# Altium PCB Iris.PcbDoc (part 12 of 13)
Units mm, origin at the board's own origin, x right, y up, seen from the top; angles counter-clockwise.
Board outline 100 x 72 mm, 6 copper layers (Top Layer, PowerPlane1, MidLayer1, MidLayer2, PowerPlane2, Bottom Layer), stack 1.561 mm thick; 396 components, 379 nets, 1616 pads, 658 vias.
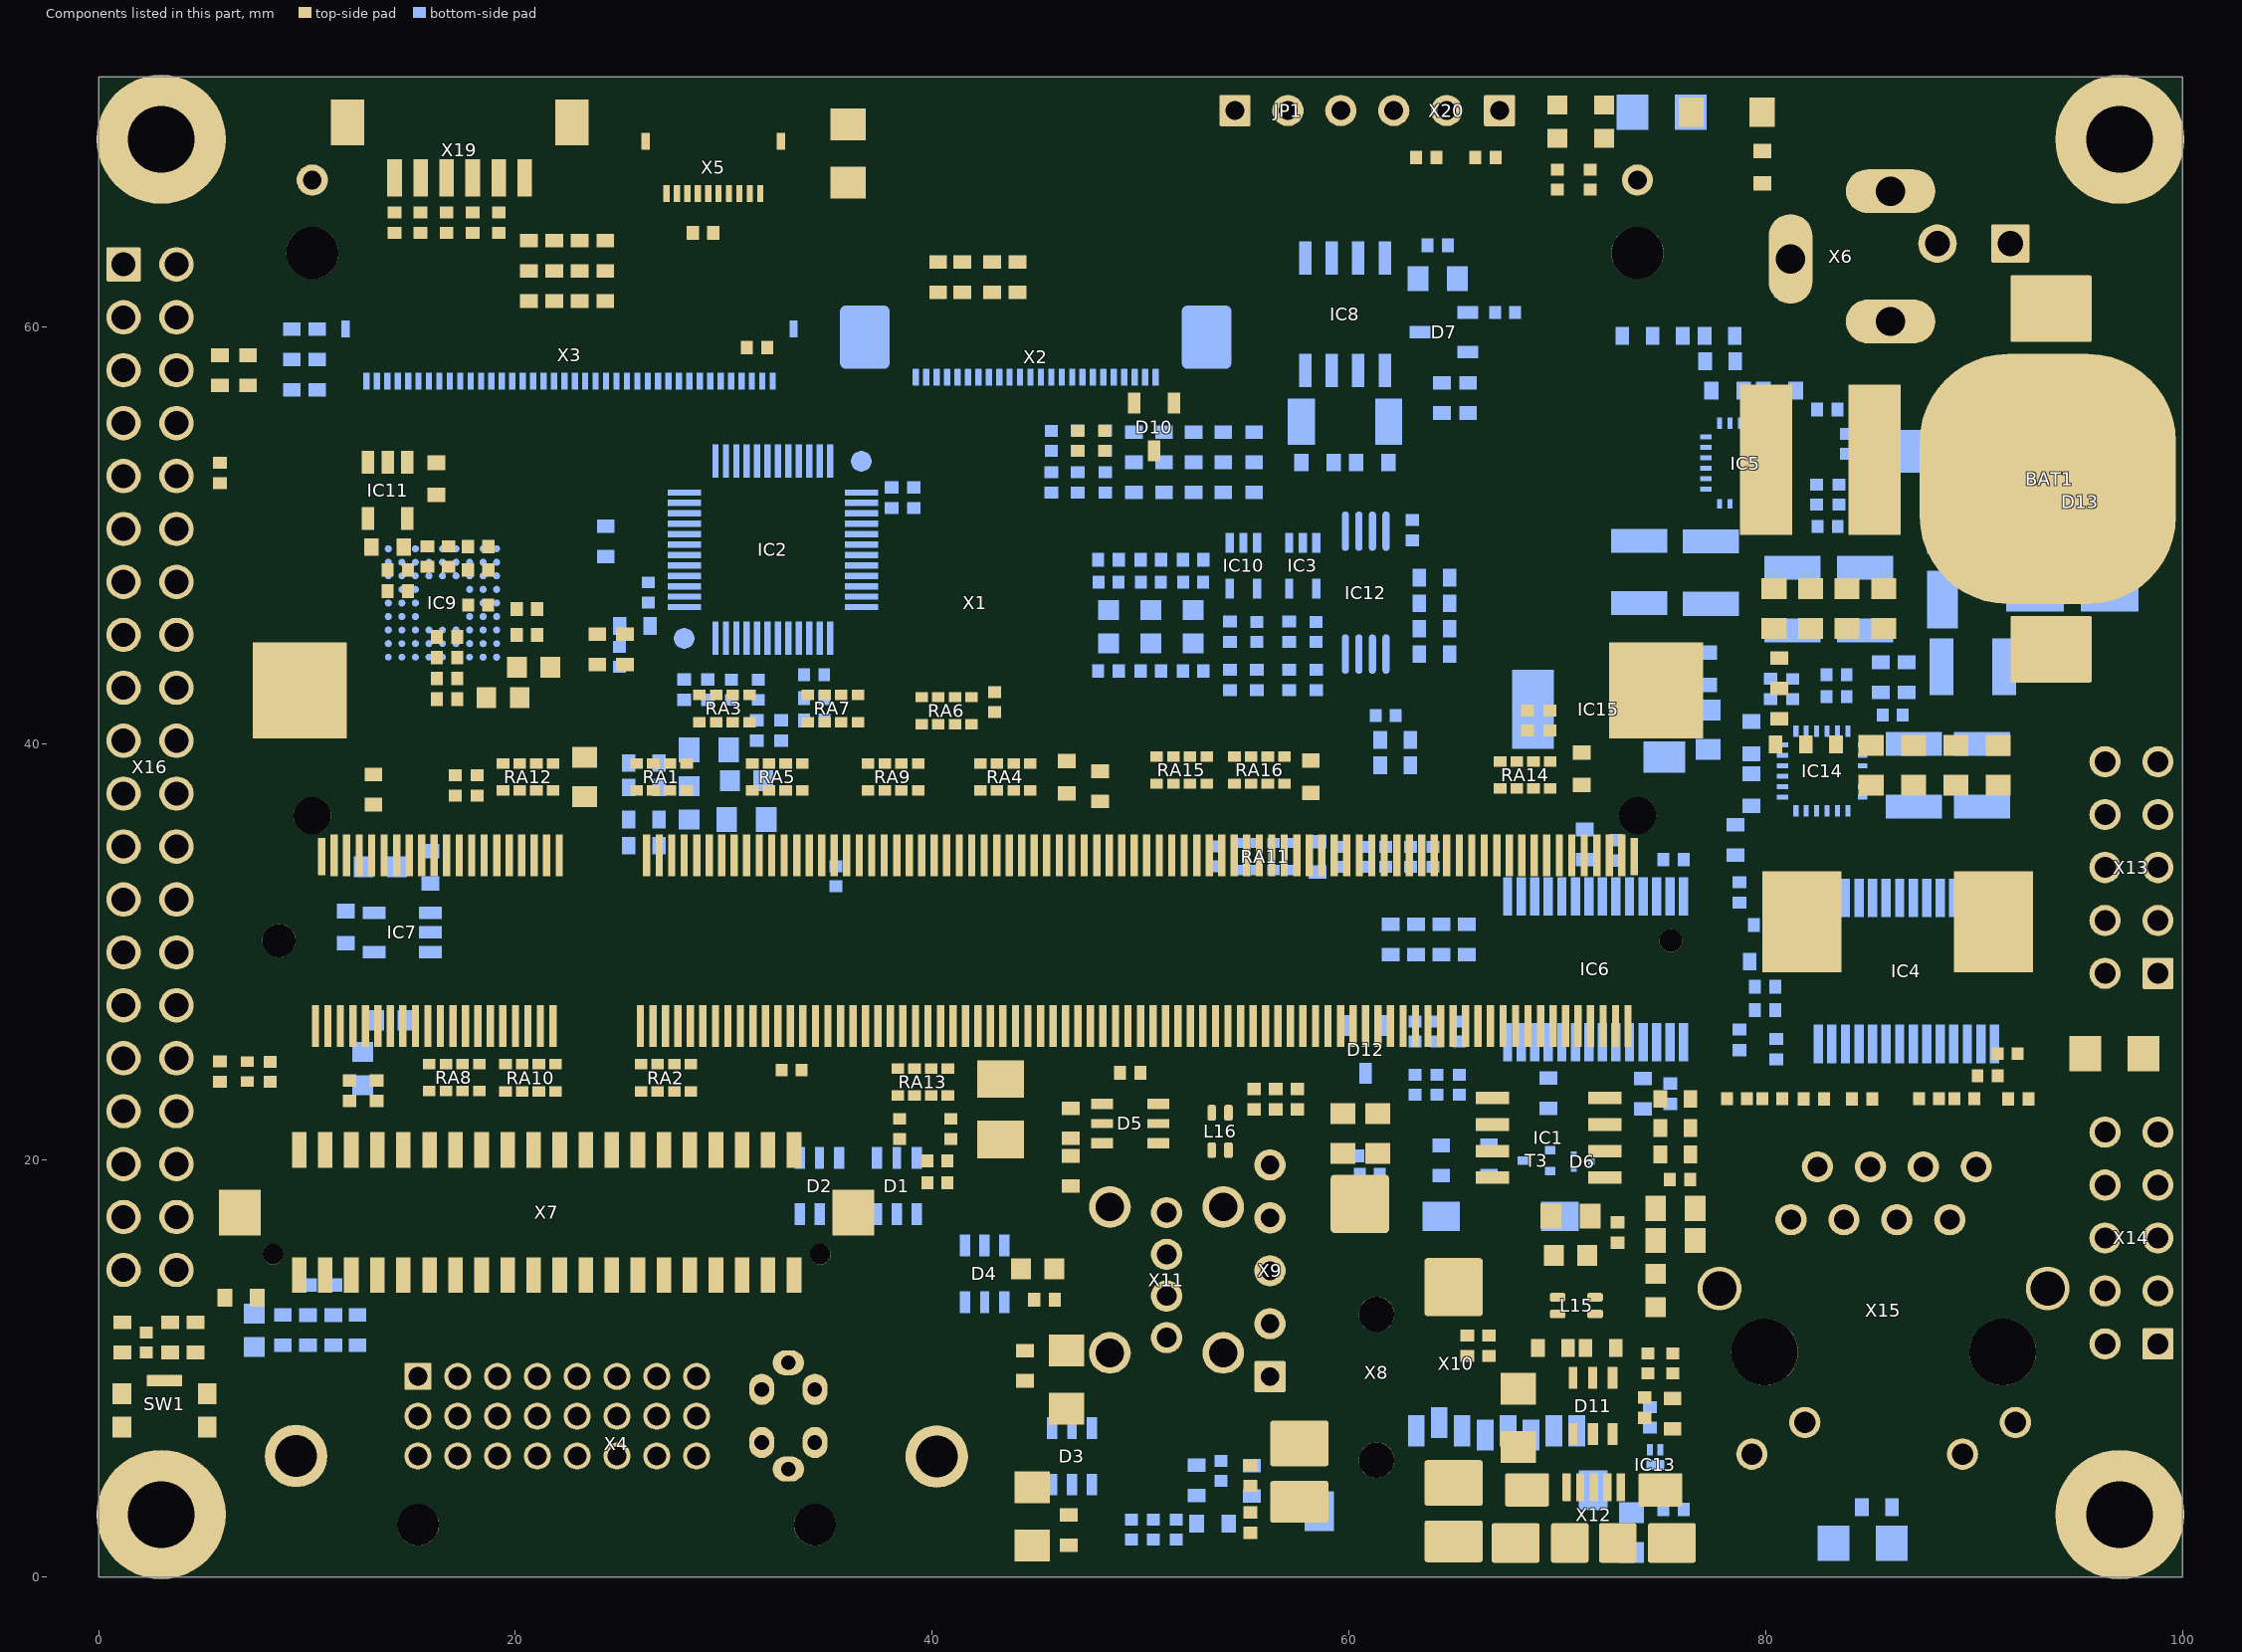
[diagram p16: the components of this part, seen from the top]

## Other copper (continued)
MidLayer1:
  pour cut-out: 33.525,65.913 34.508,65.913 34.508,66.98 33.525,66.98
  pour cut-out: 39.349,55.959 39.217,55.512 39.217,54.398 39.623,53.275 38.176,52.807 38.174,54.25 38.174,55.512 38.428,56.142
  pour cut-out: 35.204,54.407 35.943,55.122 35.943,55.574 35.205,56.312 34.67,56.312 34.055,56.189 33.552,55.966 32.299,55.966 31.806,55.883 31.269,55.433 31.477,54.384 32.839,54.384 33.552,54.836 34.874,54.839
  pour cut-out: 28.245,66.04 28.245,64.948 26.213,64.948 26.213,66.04
  pour cut-out: 14.268,52.139 13.347,52.323 13.285,51.866 13.291,50.768 14.212,50.584 14.205,51.685
  pour cut-out: 22.566,58.814 22.415,58.31 21.634,58.832 21.785,59.336
  pour cut-out: 24.066,58.814 23.915,58.31 23.134,58.832 23.285,59.336
  pour cut-out: 18.066,58.814 17.915,58.31 17.134,58.832 17.285,59.336
  pour cut-out: 19.566,58.814 19.415,58.31 18.634,58.832 18.785,59.336
  pour cut-out: 21.066,58.814 20.915,58.31 20.134,58.832 20.285,59.336
  pour cut-out: 25.566,58.814 25.415,58.31 24.634,58.832 24.785,59.336
  pour cut-out: 27.066,58.814 26.915,58.31 26.134,58.832 26.285,59.336
  pour cut-out: 28.566,58.814 28.415,58.31 27.634,58.832 27.785,59.336
  pour cut-out: 30.066,58.814 29.915,58.31 29.134,58.832 29.285,59.336
  pour cut-out: 88.443,35.052 88.443,34.011 87.882,33.443 87.482,33.609 86.766,34.02 86.766,34.239 86.766,35.063 87.482,35.474 87.882,35.64
  pour cut-out: 82.182,56.413 83.005,56.413 83.005,57.48 82.182,57.48
  pour cut-out: 79.931,35.987 79.974,36.204 80.096,36.387 80.28,36.509 80.496,36.552 83.163,36.552 83.379,36.509 83.562,36.387 83.685,36.204 83.728,35.987 83.728,34.514 83.685,34.298 83.562,34.115 83.379,33.992 83.163,33.949 80.496,33.949 80.28,33.992 80.096,34.115 79.974,34.298 79.931,34.514
  pour cut-out: 59.918,47.716 59.969,47.473 59.969,47.269 60.122,47.117 60.401,47.168 60.699,47.194 61.047,47.716 61.047,48.714 60.96,49.276 60.483,49.276 59.918,48.714
  pour cut-out: 77.874,2.275 77.976,2.299 78.081,2.307 78.185,2.299 78.287,2.275 78.383,2.235 78.473,2.18 78.552,2.112 78.62,2.032 78.675,1.943 78.715,1.846 78.74,1.744 78.748,1.64 78.74,1.536 78.715,1.434 78.675,1.337 78.62,1.248 78.552,1.168 78.473,1.1 77.688,1.1 77.609,1.168 77.541,1.248 77.486,1.337 77.446,1.434 77.421,1.536 77.413,1.64 77.421,1.744 77.446,1.846 77.486,1.943 77.541,2.032 77.609,2.112 77.688,2.18 77.778,2.235
  pour cut-out: 49.555,3.377 51.714,3.377 51.714,4.4 49.555,4.4
  pour cut-out: 38.151,45.339 36.83,45.339 36.678,45.491 36.678,45.974 37.465,46.761 37.465,46.351 37.008,45.894 37.008,45.745 37.186,45.568 38.151,45.568
  pour cut-out: 38.887,50.292 39.294,49.886 39.294,45.517 39.192,45.517 39.192,49.835 38.811,50.216 38.811,51.867 38.887,51.943
  pour cut-out: 23.946,42.133 23.946,41.051 24.295,40.553 25.001,39.936 25.961,40.591 25.961,41.588 25.616,42.127 24.921,42.538 24.333,42.52
  pour cut-out: 21.674,45.025 22.619,44.222 22.784,44.323 23.583,44.622 23.583,47.624 21.336,48.64 21.336,45.542
  pour cut-out: 31.394,52.273 31.394,50.952 32.944,49.403 32.944,47.981 33.122,47.803 33.426,47.803 33.426,47.625 33.452,47.6 31.242,47.6 30.937,47.904 30.937,51.918 30.582,52.273 30.582,52.426 30.372,52.705 30.963,52.705
  pour cut-out: 19.818,49.915 22.067,49.915 23.279,50.28 23.52,50.343 24.359,50.343 24.765,50.521 25.184,51.109 25.592,51.761 25.714,51.944 26.423,52.653 26.606,52.775 26.822,52.818 27.737,52.964 27.178,52.222 27.178,50.546 25.984,49.352 19.837,49.352
  pour cut-out: 34.389,17.17 34.49,17.194 34.595,17.203 34.699,17.194 34.801,17.17 34.898,17.13 34.987,17.075 35.067,17.007 35.135,16.928 35.189,16.838 35.229,16.742 35.254,16.64 35.262,16.535 35.254,16.431 35.229,16.329 35.189,16.232 35.135,16.143 35.067,16.064 34.987,15.996 34.898,15.941 34.801,15.901 34.699,15.876 34.595,15.868 34.49,15.876 34.392,15.9 34.292,15.941 34.203,15.996 34.123,16.064 34.055,16.143 34,16.232 33.96,16.329 33.936,16.431 33.928,16.535 33.936,16.64 33.96,16.742 34,16.838 34.055,16.928 34.123,17.007 34.203,17.075 34.292,17.13
  pour cut-out: 38.097,17.162 38.199,17.186 38.303,17.195 38.408,17.186 38.509,17.162 38.606,17.122 38.695,17.067 38.775,16.999 38.843,16.92 38.898,16.83 38.938,16.734 38.962,16.632 38.97,16.527 38.962,16.423 38.938,16.321 38.898,16.224 38.843,16.135 38.775,16.056 38.695,15.988 38.606,15.933 38.509,15.893 38.408,15.868 38.303,15.86 38.199,15.868 38.1,15.892 38,15.933 37.911,15.988 37.831,16.056 37.763,16.135 37.709,16.224 37.669,16.321 37.644,16.423 37.636,16.527 37.644,16.632 37.669,16.734 37.709,16.83 37.763,16.92 37.831,16.999 37.911,17.067 38,17.122
  pour cut-out: 94.531,27.178 94.684,27.026 94.684,25.197 94.531,25.044 93.744,25.044 93.591,25.197 93.591,27.026 93.744,27.178
  pour cut-out: 93.65,20.336 92.761,20.336 92.761,19.228 93.65,19.228
  pour cut-out: 52.603,33.34 51.627,33.34 51.627,32.21 52.603,32.21
  pour cut-out: 53.251,29.648 48.473,29.648 48.473,28.518 53.251,28.518
  pour cut-out: 31.184,24.446 31.694,24.015 32.432,24.753 31.922,25.184
  pour cut-out: 23.775,21.474 24.341,22.04 23.551,22.83 22.985,22.265 22.57,22.179 22.753,21.258
  pour cut-out: 93.066,8.407 90.881,8.407 90.881,6.401 93.066,6.401
  pour cut-out: 15.85,48.031 17.501,48.031 17.932,47.6 17.932,45.873 17.933,45.871 17.018,45.517 15.977,45.517 15.453,46.049 15.312,46.742 15.311,47.502
  pour cut-out: 46.94,17.76 46.97,17.449 47.061,17.15 47.208,16.875 47.406,16.634 47.647,16.436 47.923,16.288 48.222,16.198 48.532,16.167 48.843,16.198 49.142,16.288 49.415,16.435 49.659,16.634 49.857,16.875 50.004,17.15 50.094,17.449 50.125,17.76 50.094,18.071 50.004,18.37 49.857,18.645 49.659,18.886 49.417,19.084 49.142,19.232 48.843,19.322 48.532,19.353 48.222,19.322 47.923,19.232 47.647,19.084 47.406,18.886 47.208,18.645 47.061,18.37 46.97,18.071
  pour cut-out: 52.38,17.76 52.41,17.449 52.501,17.15 52.648,16.875 52.846,16.634 53.087,16.436 53.363,16.288 53.662,16.198 53.972,16.167 54.283,16.198 54.582,16.288 54.855,16.435 55.099,16.634 55.297,16.875 55.444,17.15 55.534,17.449 55.565,17.76 55.534,18.071 55.444,18.37 55.297,18.645 55.099,18.886 54.857,19.084 54.582,19.232 54.283,19.322 53.972,19.353 53.662,19.322 53.363,19.232 53.087,19.084 52.846,18.886 52.648,18.645 52.501,18.37 52.41,18.071
  pour cut-out: 52.38,10.76 52.41,10.449 52.501,10.15 52.648,9.875 52.846,9.634 53.087,9.436 53.363,9.288 53.662,9.198 53.972,9.167 54.283,9.198 54.582,9.288 54.855,9.435 55.099,9.634 55.297,9.875 55.444,10.15 55.534,10.449 55.565,10.76 55.534,11.071 55.444,11.37 55.297,11.645 55.099,11.886 54.857,12.084 54.582,12.232 54.283,12.322 53.972,12.353 53.662,12.322 53.363,12.232 53.087,12.084 52.846,11.886 52.648,11.645 52.501,11.37 52.41,11.071
  pour cut-out: 11.151,28.778 11.151,27.915 12.04,27.915 12.04,28.778
  pour cut-out: 9.426,23.266 10.236,23.266 10.236,24.384 9.426,24.384
  pour cut-out: 6.557,19.101 7.367,19.101 7.805,18.549 8.204,19.513 7.367,20.091 6.557,20.091
  pour cut-out: 16.1,21.03 16.9,21.03 16.9,22.148 16.1,22.148
  pour cut-out: 19.85,21.03 20.65,21.03 20.65,22.148 19.85,22.148
  pour cut-out: 27.35,21.03 28.15,21.03 28.15,22.148 27.35,22.148
  pour cut-out: 31.1,21.03 31.9,21.03 31.9,22.148 31.1,22.148
  pour cut-out: 58.778,38.037 58.778,36.512 59.084,36.207 59.612,35.783 59.795,35.661 60.011,35.618 60.227,35.661 60.411,35.783 60.533,35.966 60.575,36.176 60.452,36.828 60.452,37.514 60.893,37.967 61.059,38.366 61.059,39.458 60.893,39.858 59.704,41.237 58.783,41.42 57.777,40.557 57.96,39.636 58.778,38.696
  pour cut-out: 40.223,7.795 39.831,7.756 39.454,7.642 39.106,7.456 38.802,7.206 38.552,6.902 38.366,6.554 38.252,6.177 38.213,5.785 38.252,5.393 38.366,5.016 38.552,4.668 38.802,4.364 39.106,4.114 39.454,3.928 39.831,3.814 40.223,3.775 40.615,3.814 40.992,3.928 41.339,4.114 41.644,4.364 41.894,4.668 42.08,5.016 42.194,5.393 42.233,5.785 42.194,6.177 42.08,6.554 41.894,6.902 41.644,7.206 41.339,7.456 40.992,7.642 40.615,7.756
  pour cut-out: 9.473,7.82 9.081,7.781 8.704,7.667 8.356,7.481 8.052,7.231 7.802,6.927 7.616,6.579 7.502,6.202 7.463,5.81 7.502,5.418 7.616,5.041 7.802,4.693 8.052,4.389 8.356,4.139 8.704,3.953 9.081,3.839 9.473,3.8 9.865,3.839 10.242,3.953 10.589,4.139 10.894,4.389 11.144,4.693 11.33,5.041 11.444,5.418 11.483,5.81 11.444,6.202 11.33,6.579 11.144,6.927 10.894,7.231 10.589,7.481 10.242,7.667 9.865,7.781
  pour cut-out: 46.94,10.76 46.97,10.449 47.061,10.15 47.208,9.875 47.406,9.634 47.647,9.436 47.923,9.288 48.222,9.198 48.532,9.167 48.843,9.198 49.142,9.288 49.415,9.435 49.659,9.634 49.857,9.875 50.004,10.15 50.094,10.449 50.125,10.76 50.094,11.071 50.004,11.37 49.857,11.645 49.659,11.886 49.417,12.084 49.142,12.232 48.843,12.322 48.532,12.353 48.222,12.322 47.923,12.232 47.647,12.084 47.406,11.886 47.208,11.645 47.061,11.37 46.97,11.071
  pour cut-out: 76.198,13.85 76.229,13.539 76.319,13.24 76.467,12.965 76.665,12.724 76.906,12.526 77.181,12.378 77.48,12.288 77.791,12.257 78.102,12.288 78.401,12.378 78.674,12.525 78.917,12.724 79.115,12.965 79.263,13.24 79.353,13.539 79.384,13.85 79.353,14.161 79.263,14.46 79.115,14.735 78.917,14.976 78.676,15.174 78.401,15.322 78.102,15.412 77.791,15.443 77.48,15.412 77.181,15.322 76.906,15.174 76.665,14.976 76.467,14.735 76.319,14.46 76.229,14.161
  pour cut-out: 91.948,13.85 91.979,13.539 92.069,13.24 92.217,12.965 92.415,12.724 92.656,12.526 92.931,12.378 93.23,12.288 93.541,12.257 93.852,12.288 94.151,12.378 94.424,12.525 94.667,12.724 94.865,12.965 95.013,13.24 95.103,13.539 95.134,13.85 95.103,14.161 95.013,14.46 94.865,14.735 94.667,14.976 94.426,15.174 94.151,15.322 93.852,15.412 93.541,15.443 93.23,15.412 92.931,15.322 92.656,15.174 92.415,14.976 92.217,14.735 92.069,14.46 91.979,14.161
  pour cut-out: 90.111,20.857 89.809,20.817 89.528,20.701 89.286,20.515 89.1,20.273 88.984,19.992 88.944,19.69 88.984,19.388 89.1,19.107 89.286,18.865 89.528,18.679 89.809,18.563 90.111,18.523 90.413,18.563 90.694,18.679 90.936,18.865 91.122,19.107 91.238,19.388 91.277,19.687 91.238,19.992 91.122,20.273 90.939,20.511 90.694,20.701 90.413,20.817
  pour cut-out: 63.226,28.501 60.959,28.501 60.959,27.371 63.226,27.371
  pour cut-out: 68.043,29.474 64.497,29.464 64.135,28.575 64.897,27.559 66.777,27.559 67.64,28.423 68.781,28.736 69.518,29.549 68.474,29.981
  pour cut-out: 56.908,41.484 55.308,41.484 55.092,41.441 54.909,41.319 54.109,40.557 53.987,40.374 53.944,40.157 53.987,39.941 54.109,39.758 54.292,39.636 54.508,39.593 56.108,39.593 56.325,39.636 56.508,39.758 57.308,40.52 57.43,40.703 57.473,40.919 57.43,41.136 57.308,41.319 57.125,41.441
  pour cut-out: 52.807,37.211 52.019,37.211 52.019,36.144 52.807,36.144
  pour cut-out: 52.902,41.319 51.975,40.557 52.774,39.758 53.701,40.52
  pour cut-out: 37.186,40.988 37.186,39.855 38.252,39.855 38.252,40.988
  pour cut-out: 30.429,43.18 31.555,43.18 31.555,44.247 30.429,44.247
  pour cut-out: 13.05,57.941 14.099,58.025 14.499,58.989 13.989,59.652 13.063,59.836 12.435,58.862
  pour cut-out: 40.284,60.325 41.417,60.325 41.417,61.392 40.284,61.392
  pour cut-out: 42.875,60.325 44.008,60.325 44.008,61.392 42.875,61.392
  pour cut-out: 45.796,60.325 46.929,60.325 46.929,61.392 45.796,61.392
  pour cut-out: 48.943,49.098 50.076,49.098 50.076,50.165 48.943,50.165
  pour cut-out: 62.967,32.623 64.099,32.623 64.099,33.689 62.967,33.689
  pour cut-out: 55.753,23.571 56.885,23.571 56.885,24.562 55.753,24.562
  pour cut-out: 63.17,24.384 65.202,24.384 65.958,23.647 68.003,23.647 68.003,24.69 66.39,24.69 65.38,25.451 63.17,25.451
  pour cut-out: 34.798,71.501 34.798,70.815 35.458,70.155 36.551,70.155 37.135,70.739 37.135,71.501
  pour cut-out: 35.252,71.45 35.354,71.474 35.458,71.482 35.563,71.474 35.665,71.45 35.761,71.41 35.851,71.355 35.93,71.287 35.998,71.207 36.053,71.118 36.093,71.021 36.117,70.92 36.126,70.815 36.117,70.711 36.093,70.609 36.053,70.512 35.998,70.423 35.93,70.343 35.851,70.275 35.761,70.221 35.665,70.181 35.563,70.156 35.458,70.148 35.354,70.156 35.256,70.18 35.155,70.221 35.066,70.275 34.987,70.343 34.919,70.423 34.864,70.512 34.824,70.609 34.799,70.711 34.791,70.815 34.799,70.92 34.824,71.021 34.864,71.118 34.919,71.207 34.987,71.287 35.066,71.355 35.155,71.41
  pour cut-out: 36.271,71.45 36.373,71.474 36.477,71.482 36.581,71.474 36.683,71.45 36.78,71.41 36.869,71.355 36.949,71.287 37.017,71.207 37.072,71.118 37.112,71.021 37.136,70.92 37.144,70.815 37.136,70.711 37.112,70.609 37.072,70.512 37.017,70.423 36.949,70.343 36.869,70.275 36.78,70.221 36.683,70.181 36.581,70.156 36.477,70.148 36.373,70.156 36.274,70.18 36.174,70.221 36.085,70.275 36.005,70.343 35.937,70.423 35.882,70.512 35.842,70.609 35.818,70.711 35.81,70.815 35.818,70.92 35.842,71.021 35.882,71.118 35.937,71.207 36.005,71.287 36.085,71.355 36.174,71.41
  pour cut-out: 74.701,53.817 74.485,53.86 74.302,53.982 74.18,54.165 74.137,54.381 74.137,57.048 74.18,57.265 74.302,57.448 74.485,57.57 74.701,57.613 76.175,57.613 76.391,57.57 76.574,57.448 76.696,57.265 76.739,57.048 76.739,54.381 76.696,54.165 76.574,53.982 76.391,53.86 76.175,53.817
  pour cut-out: 83.595,54.277 83.597,53.217 83.554,53.001 83.432,52.818 83.249,52.695 83.033,52.652 82.208,52.652 81.992,52.695 81.808,52.818 81.686,53.001 81.643,53.217 81.643,54.277 81.686,54.493 81.808,54.677 81.992,54.799 82.208,54.842 82.468,55.194 83.597,55.194
  pour cut-out: 78.791,45.872 79.889,45.872 79.889,45.021 78.791,45.021
  pour cut-out: 86.233,45.872 87.249,45.872 87.249,45.021 86.233,45.021
  pour cut-out: 82.952,40.825 81.927,40.825 81.405,41.606 81.647,42.456 82.568,42.64 83.352,41.789
  pour cut-out: 74.137,51.156 74.137,52.959 74.18,53.175 74.302,53.358 74.485,53.481 74.701,53.524 76.175,53.524 76.391,53.481 76.574,53.358 76.696,53.175 76.739,52.959 76.739,51.156 76.696,50.965 76.574,50.782 76.391,50.659 76.175,50.616 74.701,50.616 74.485,50.659 74.302,50.782 74.18,50.965
  pour cut-out: 53.619,3.377 54.381,3.377 54.381,4.4 53.619,4.4
MidLayer2:
  rectangle net 3.3V: 66.815,50.533 68.796,52.515
  region net DCDC1_LX: 76.175,54.048 76.175,57.376 74.701,57.376 74.701,54.048
  rectangle net DCDC2_LX: 80.162,34.514 83.49,35.987
  pour cut-out: 45.441,22.098 45.441,21.184 44.577,21.184 44.577,22.098
  pour cut-out: 41.123,24.968 41.123,24.511 42.037,24.511 42.037,24.968
  pour cut-out: 52.38,10.76 52.41,10.449 52.501,10.15 52.648,9.875 52.846,9.634 53.087,9.436 53.363,9.288 53.662,9.198 53.972,9.167 54.283,9.198 54.582,9.288 54.855,9.435 55.099,9.634 55.297,9.875 55.444,10.15 55.534,10.449 55.565,10.76 55.534,11.071 55.444,11.37 55.297,11.645 55.099,11.886 54.857,12.084 54.582,12.232 54.283,12.322 53.972,12.353 53.662,12.322 53.363,12.232 53.087,12.084 52.846,11.886 52.648,11.645 52.501,11.37 52.41,11.071
  pour cut-out: 52.38,17.76 52.41,17.449 52.501,17.15 52.648,16.875 52.846,16.634 53.087,16.436 53.363,16.288 53.662,16.198 53.972,16.167 54.283,16.198 54.582,16.288 54.855,16.435 55.099,16.634 55.297,16.875 55.444,17.15 55.534,17.449 55.565,17.76 55.534,18.071 55.444,18.37 55.297,18.645 55.099,18.886 54.857,19.084 54.582,19.232 54.283,19.322 53.972,19.353 53.662,19.322 53.363,19.232 53.087,19.084 52.846,18.886 52.648,18.645 52.501,18.37 52.41,18.071
  pour cut-out: 46.94,10.76 46.97,10.449 47.061,10.15 47.208,9.875 47.406,9.634 47.647,9.436 47.923,9.288 48.222,9.198 48.532,9.167 48.843,9.198 49.142,9.288 49.415,9.435 49.659,9.634 49.857,9.875 50.004,10.15 50.094,10.449 50.125,10.76 50.094,11.071 50.004,11.37 49.857,11.645 49.659,11.886 49.417,12.084 49.142,12.232 48.843,12.322 48.532,12.353 48.222,12.322 47.923,12.232 47.647,12.084 47.406,11.886 47.208,11.645 47.061,11.37 46.97,11.071
  pour cut-out: 38.097,17.162 38.199,17.186 38.303,17.195 38.408,17.186 38.509,17.162 38.606,17.122 38.695,17.067 38.775,16.999 38.843,16.92 38.898,16.83 38.938,16.734 38.962,16.632 38.97,16.527 38.962,16.423 38.938,16.321 38.898,16.224 38.843,16.135 38.775,16.056 38.695,15.988 38.606,15.933 38.509,15.893 38.408,15.868 38.303,15.86 38.199,15.868 38.1,15.892 38,15.933 37.911,15.988 37.831,16.056 37.763,16.135 37.709,16.224 37.669,16.321 37.644,16.423 37.636,16.527 37.644,16.632 37.669,16.734 37.709,16.83 37.763,16.92 37.831,16.999 37.911,17.067 38,17.122
  pour cut-out: 34.389,17.17 34.49,17.194 34.595,17.203 34.699,17.194 34.801,17.17 34.898,17.13 34.987,17.075 35.067,17.007 35.135,16.928 35.189,16.838 35.229,16.742 35.254,16.64 35.262,16.535 35.254,16.431 35.229,16.329 35.189,16.232 35.135,16.143 35.067,16.064 34.987,15.996 34.898,15.941 34.801,15.901 34.699,15.876 34.595,15.868 34.49,15.876 34.392,15.9 34.292,15.941 34.203,15.996 34.123,16.064 34.055,16.143 34,16.232 33.96,16.329 33.936,16.431 33.928,16.535 33.936,16.64 33.96,16.742 34,16.838 34.055,16.928 34.123,17.007 34.203,17.075 34.292,17.13
  pour cut-out: 46.94,17.76 46.97,17.449 47.061,17.15 47.208,16.875 47.406,16.634 47.647,16.436 47.923,16.288 48.222,16.198 48.532,16.167 48.843,16.198 49.142,16.288 49.415,16.435 49.659,16.634 49.857,16.875 50.004,17.15 50.094,17.449 50.125,17.76 50.094,18.071 50.004,18.37 49.857,18.645 49.659,18.886 49.417,19.084 49.142,19.232 48.843,19.322 48.532,19.353 48.222,19.322 47.923,19.232 47.647,19.084 47.406,18.886 47.208,18.645 47.061,18.37 46.97,18.071
  pour cut-out: 46.201,24.968 46.201,24.511 47.115,24.511 47.115,24.968
Bottom Layer:
  rectangle net GND: 76.334,41.707 76.657,42.697
  rectangle net 5V: 84.696,34.544 85.484,35.306
  region net GND: 70.282,41.935 68.935,41.935 68.935,41.402 70.282,41.402
  rectangle net GND: 67.513,42.012 68.351,42.545
  rectangle net GND: 68.402,39.395 69.215,43.891
  rectangle net NetC102_2: 26.737,34.478 27.037,36.985
  rectangle net GND: 64.602,63.195 64.897,64.49
  rectangle net 3.3V: 66.815,50.533 68.796,52.515
  rectangle net GND: 51.436,47.902 51.588,49.911
  rectangle net GND: 51.445,48.692 52.121,48.92
  rectangle net GND: 51.46,49.403 52.095,49.911
  rectangle net GND: 79.292,30.683 79.553,31.829
  rectangle net CHASSIS_GND: 75.268,69.793 77.56,70.815
  rectangle net 3.3V_MMC: 74.95,0.533 75.26,3.781
  rectangle net 3.3V_MMC: 72.644,0.508 74.473,0.686
  rectangle net GND: 81.102,1.626 82.067,3.302
  rectangle net GND: 76.08,4.013 76.911,5.385
  rectangle net GND: 77.267,40.437 77.951,43.36
  pour cut-out: 4.766,65.421 6.57,67.224 6.57,72.508 -0.517,72.508 -0.517,65.421
  pour cut-out: 93.421,67.234 95.224,65.43 100.508,65.43 100.508,72.517 93.421,72.517
  pour cut-out: 78.816,40.538 80.34,40.538 80.416,40.462 78.892,40.462
  pour cut-out: 76.385,38.456 76.581,38.456 76.759,38.278 76.759,38.507 76.385,38.507
  pour cut-out: 84.998,37.262 85.125,37.262 85.125,38.405 85.329,38.608 84.998,38.608
  pour cut-out: 86.614,35.765 83.591,35.765 83.591,35.841 86.614,35.841
  pour cut-out: 83.922,55.601 82.956,55.601 82.956,56.337 82.829,56.464 80.569,56.464 80.569,57.531 83.134,57.531 83.922,56.744
  pour cut-out: 77.46,53.807 77.46,50.892 77.368,50.8 77.511,50.8 77.511,53.899 77.368,53.899
  pour cut-out: 93.472,27.076 93.599,27.203 94.64,27.203 94.767,27.076 94.767,25.044 94.64,24.917 93.599,24.917 93.472,25.044
  pour cut-out: 63.86,48.412 63.733,48.412 63.733,49.352 63.86,49.352
  pour cut-out: 47.219,25.197 46.101,25.197 46.101,22.555 47.219,22.555
  pour cut-out: 76.505,34.366 76.505,34.087 77.013,33.579 77.216,33.579 77.216,33.477 76.81,33.477 76.403,33.884 76.403,34.366
  pour cut-out: 11.278,49.809 11.278,49.174 11.582,48.87 11.989,48.87 11.989,49.809
  pour cut-out: 62.205,34.747 62.611,34.747 62.611,34.646 62.205,34.646
  pour cut-out: 53.886,37.059 53.962,37.135 51.867,37.135 51.689,37.313 51.689,37.059
  pour cut-out: 57.937,61.544 59.182,61.544 59.182,61.646 57.937,61.646
  pour cut-out: 62.814,56.841 62.713,56.74 62.713,56.587 62.611,56.587 62.611,56.943 64.211,56.943 64.211,56.841
  pour cut-out: 72.187,35.42 72.187,33.515 72.314,33.515 72.314,35.319 72.212,35.42
  pour cut-out: 38.811,58.191 38.811,56.617 40.564,54.864 40.564,47.752 38.913,46.101 38.913,38.43 37.262,36.779 37.262,34.315 35.865,32.918 26.594,32.918 24.968,34.561 24.968,39.167 23.647,40.488 23.647,43.713 22.428,44.933 15.926,44.933 15.926,36.5 16.866,36.5 17.221,36.144 17.221,29.972 15.748,28.499 15.748,24.384 14.605,23.241 11.303,23.241 11.303,32.918 11.735,33.35 14.938,33.35 14.938,36.071 15.367,36.5 15.9,36.5 15.9,44.933 8.89,44.933 4.496,40.538 4.496,21.971 6.045,20.422 6.045,11.786 16.053,1.778 33.553,1.778 40.691,8.915 40.691,29.235 46.609,35.154 46.609,41.402 45.415,42.596 45.415,58.191
  pour cut-out: 95.733,44.747 96.088,45.103 96.52,45.103 96.876,44.747 96.876,44.315 96.545,43.985 96.063,43.985 95.733,44.315
  pour cut-out: 94.666,63.551 95.021,63.906 95.453,63.906 95.809,63.551 95.809,63.119 95.479,62.789 94.996,62.789 94.666,63.119
  pour cut-out: 62.839,12.315 71.889,12.315 71.889,15.783 62.844,15.783
  pour cut-out: 71.889,5.369 72.778,5.369 72.778,18.015 71.889,18.015
  pour cut-out: 78.613,71.374 74.549,71.374 74.549,69.266 75.235,68.58 78.029,68.58 78.613,69.164
  pour cut-out: 98.832,37.502 96.291,37.502 96.291,37.426 98.832,37.426
  pour cut-out: 64.529,64.414 64.084,64.859 64.008,64.859 64.008,64.414
  pour cut-out: 21.869,25.959 22.733,25.959 22.733,25.095 21.869,25.095
  pour cut-out: 25.019,25.959 25.883,25.959 25.883,25.095 25.019,25.095
  pour cut-out: 49.098,45.872 49.098,45.441 53.188,45.441 53.188,44.196 53.442,43.942 53.442,43.18 58.903,43.18 58.903,42.037 53.365,42.037 53.34,42.062 53.34,43.84 53.061,44.12 53.061,45.314 49.022,45.314 49.022,45.872
  pour cut-out: 43.307,58.191 50.8,58.191 50.876,58.166 50.973,58.083 51.003,57.988 43.307,57.988
  pour cut-out: 22.377,36.601 23.241,36.601 23.241,35.738 22.377,35.738
  pour cut-out: 29.032,48.793 29.032,48.285 28.905,48.285 28.905,48.793
  pour cut-out: 38.365,54.585 38.365,52.654 38.238,52.654 38.238,54.585
  pour cut-out: 55.905,52.197 55.905,54.733 56.023,54.733 56.023,52.197
  pour cut-out: 79.22,24.851 79.093,24.851 79.093,23.393 79.22,23.393
  pour cut-out: 21.793,59.766 21.692,59.665 21.692,58.75 21.742,58.699 21.539,58.699 21.539,59.715 21.692,59.868 22.962,59.868 23.114,59.715 23.114,58.598 22.911,58.268 22.911,57.887 22.809,57.887 22.809,58.274 23.012,58.604 23.012,59.639 22.885,59.766
  pour cut-out: 65.761,23.546 65.761,24.435 65.913,24.587 68.834,24.587 68.986,24.435 68.986,23.47 69.063,23.47 69.063,24.689 65.684,24.689 65.684,23.546
  pour cut-out: 42.875,61.316 46.888,61.316 46.888,61.239 42.875,61.239
  pour cut-out: 66.367,61.141 68.834,61.141 68.834,60.241 66.367,60.241
  pour cut-out: 70.748,35.477 70.748,34.689 70.875,34.689 70.875,35.477
  pour cut-out: 66.269,30.378 66.269,31.267 66.472,31.471 66.827,31.471 66.924,31.374 66.924,31.501 66.853,31.572 66.218,31.572 66.218,30.378
  pour cut-out: 55.753,24.486 56.794,24.486 56.794,23.673 55.753,23.673
  pour cut-out: 51.478,18.387 52.011,18.387 52.011,18.209 51.565,18.209 51.478,18.296
  pour cut-out: 54.839,28.626 47.727,28.626 47.854,28.753 54.839,28.753
  pour cut-out: 52.38,17.76 52.41,17.449 52.501,17.15 52.648,16.875 52.846,16.634 53.087,16.436 53.363,16.288 53.662,16.198 53.972,16.167 54.283,16.198 54.582,16.288 54.855,16.435 55.099,16.634 55.297,16.875 55.444,17.15 55.534,17.449 55.565,17.76 55.534,18.071 55.444,18.37 55.297,18.645 55.099,18.886 54.857,19.084 54.582,19.232 54.283,19.322 53.972,19.353 53.662,19.322 53.363,19.232 53.087,19.084 52.846,18.886 52.648,18.645 52.501,18.37 52.41,18.071
  pour cut-out: 52.38,10.76 52.41,10.449 52.501,10.15 52.648,9.875 52.846,9.634 53.087,9.436 53.363,9.288 53.662,9.198 53.972,9.167 54.283,9.198 54.582,9.288 54.855,9.435 55.099,9.634 55.297,9.875 55.444,10.15 55.534,10.449 55.565,10.76 55.534,11.071 55.444,11.37 55.297,11.645 55.099,11.886 54.857,12.084 54.582,12.232 54.283,12.322 53.972,12.353 53.662,12.322 53.363,12.232 53.087,12.084 52.846,11.886 52.648,11.645 52.501,11.37 52.41,11.071
  pour cut-out: 46.94,10.76 46.97,10.449 47.061,10.15 47.208,9.875 47.406,9.634 47.647,9.436 47.923,9.288 48.222,9.198 48.532,9.167 48.843,9.198 49.142,9.288 49.415,9.435 49.659,9.634 49.857,9.875 50.004,10.15 50.094,10.449 50.125,10.76 50.094,11.071 50.004,11.37 49.857,11.645 49.659,11.886 49.417,12.084 49.142,12.232 48.843,12.322 48.532,12.353 48.222,12.322 47.923,12.232 47.647,12.084 47.406,11.886 47.208,11.645 47.061,11.37 46.97,11.071
  pour cut-out: 46.94,17.76 46.97,17.449 47.061,17.15 47.208,16.875 47.406,16.634 47.647,16.436 47.923,16.288 48.222,16.198 48.532,16.167 48.843,16.198 49.142,16.288 49.415,16.435 49.659,16.634 49.857,16.875 50.004,17.15 50.094,17.449 50.125,17.76 50.094,18.071 50.004,18.37 49.857,18.645 49.659,18.886 49.417,19.084 49.142,19.232 48.843,19.322 48.532,19.353 48.222,19.322 47.923,19.232 47.647,19.084 47.406,18.886 47.208,18.645 47.061,18.37 46.97,18.071
  pour cut-out: 37.465,66.065 52.349,66.065 52.349,71.526 37.465,71.526
  pour cut-out: 80.028,33.658 80.028,34.166 80.079,34.166 80.13,34.116 80.13,33.658
  pour cut-out: 77.648,57.785 77.648,56.413 77.749,56.413 77.749,57.785
  pour cut-out: 76.717,44.835 76.336,44.835 76.336,44.86 76.717,44.86
  pour cut-out: 62.23,36.728 62.23,37.592 62.509,37.871 62.128,37.871 62.128,36.728
  pour cut-out: 63.48,40.732 63.48,41.544 63.709,41.773 63.404,41.773 63.404,40.732
  pour cut-out: 65.849,42.048 65.849,40.855 65.646,40.651 67.259,40.651 67.259,42.048
  pour cut-out: 86.309,27.332 91.821,27.332 91.821,27.459 86.309,27.459
  pour cut-out: 66.531,29.409 68.297,29.409 68.537,29.65 68.537,29.765 68.614,29.765 68.614,29.257 66.531,29.257
  pour cut-out: 3.734,58.827 0.152,58.827 0.152,58.903 3.734,58.903
  pour cut-out: 2.773,56.475 2.773,54.28 2.697,54.28 2.697,56.475
  pour cut-out: 55.245,49.041 53.438,49.041 53.438,48.863 53.565,48.964 55.245,48.964
  pour cut-out: 83.363,31.119 84.633,31.119 84.633,31.017 83.363,31.017
  text "Iris Rev. 2.0" at 51.661,66.844 h2.75
PowerPlane1 (plane layer: these items are gaps in the copper):
  pour cut-out: 76.179,57.616 76.395,57.573 76.578,57.451 76.701,57.268 76.744,57.051 76.744,54.385 76.701,54.168 76.578,53.985 76.395,53.863 76.179,53.82 74.706,53.82 74.49,53.863 74.306,53.985 74.184,54.168 74.141,54.385 74.141,57.051 74.184,57.268 74.306,57.451 74.49,57.573 74.706,57.616
  pour cut-out: 98.832,11.931 98.832,10.457 100,10.457 100,11.931
  pour cut-out: 98.832,29.711 98.832,28.237 100,28.237 100,29.711
  pour cut-out: 98.832,37.331 98.832,35.857 100,35.857 100,37.331
  pour cut-out: 1.191,46.935 1.191,48.586 0.023,48.586 0.023,46.935
  pour cut-out: 1.191,57.095 1.191,58.746 0.023,58.746 0.023,57.095
  pour cut-out: 79.928,35.992 79.971,36.208 80.093,36.391 80.276,36.514 80.493,36.557 83.16,36.557 83.376,36.514 83.559,36.391 83.681,36.208 83.724,35.992 83.724,34.519 83.681,34.302 83.559,34.119 83.376,33.997 83.16,33.954 80.493,33.954 80.276,33.997 80.093,34.119 79.971,34.302 79.928,34.519
  pour cut-out: 59.131,36.373 59.715,35.916 60.096,36.576 59.665,36.906
  pour cut-out: 74.382,71.501 74.382,69.342 74.763,68.961 78.065,68.961 78.446,69.342 78.446,71.5
  pour cut-out: 93.98,68.037 94.082,67.733 94.234,67.428 94.412,67.123 94.59,66.894 94.768,66.691 94.996,66.488 95.199,66.336 95.403,66.209 95.606,66.107 95.885,65.98 96.19,65.878 100.508,65.878 100.508,72.517 93.879,72.517 93.879,68.52
  pour cut-out: 81.763,42.24 81.585,41.605 82.321,41.453 82.575,42.24
  pour cut-out: 83.03,54.607 82.208,54.607 82.208,53.845 83.03,53.845
  pour cut-out: 51.994,36.297 52.784,36.297 52.784,37.059 51.994,37.059
  pour cut-out: 66.614,39.646 66.056,40.204 65.517,39.665 66.075,39.107
  pour cut-out: 77.064,36.601 76.835,36.83 76.835,38.76 77.064,38.989 78.207,38.989 78.435,38.76 78.435,36.83 78.207,36.601
  pour cut-out: 84.518,34.138 84.29,34.366 84.29,35.496 84.531,35.738 85.674,35.738 85.903,35.509 85.903,34.379 85.661,34.138
  pour cut-out: 11.922,22.039 11.122,22.039 11.122,21.277 11.922,21.277
  pour cut-out: 10.281,24.206 9.481,24.206 9.481,23.444 10.281,23.444
  pour cut-out: 7.357,19.964 6.557,19.964 6.557,19.202 7.357,19.202
  pour cut-out: 31.9,21.97 31.1,21.97 31.1,21.208 31.9,21.208
  pour cut-out: 28.15,21.97 27.35,21.97 27.35,21.208 28.15,21.208
  pour cut-out: 20.65,21.97 19.85,21.97 19.85,21.208 20.65,21.208
  pour cut-out: 16.9,21.97 16.1,21.97 16.1,21.208 16.9,21.208
  pour cut-out: 21.9,13.792 21.1,13.792 21.1,13.03 21.9,13.03
  pour cut-out: 25.65,13.792 24.85,13.792 24.85,13.03 25.65,13.03
  pour cut-out: 29.4,13.792 28.6,13.792 28.6,13.03 29.4,13.03
  pour cut-out: 33.15,13.792 32.35,13.792 32.35,13.03 33.15,13.03
  pour cut-out: 29.433,10.783 29.991,11.342 29.452,11.881 28.894,11.322
  pour cut-out: 39.043,14.021 39.833,14.021 39.833,14.783 39.043,14.783
  pour cut-out: 3.861,66.006 4.166,66.107 4.471,66.26 4.775,66.437 5.004,66.615 5.207,66.793 5.41,67.022 5.563,67.225 5.69,67.428 5.791,67.631 5.918,67.911 6.071,68.377 6.147,68.834 6.147,72.517 -0.457,72.517 -0.457,65.904 3.378,65.904
  pour cut-out: 96.063,6.045 95.758,5.944 95.453,5.791 95.148,5.613 94.92,5.436 94.717,5.258 94.513,5.029 94.361,4.826 94.234,4.623 94.132,4.42 94.005,4.14 93.904,3.835 93.904,-0.508 100.508,-0.508 100.508,6.147 96.545,6.147
  pour cut-out: 18.15,13.792 17.35,13.792 17.35,13.03 18.15,13.03
  pour cut-out: 23.676,22.704 23.111,22.139 23.649,21.6 24.215,22.166
  pour cut-out: 6.071,3.937 5.969,4.242 5.817,4.547 5.639,4.852 5.461,5.08 5.283,5.283 5.055,5.487 4.851,5.639 4.648,5.766 4.445,5.868 4.166,5.995 3.633,6.172 -0.508,6.172 -0.508,-0.508 6.172,-0.508 6.172,3.455
  pour cut-out: 17.272,47.854 15.85,47.854 15.85,47.115 16.027,47.092 16.18,47.041 16.637,46.533 17.043,46.533 17.348,46.736 17.348,47.04 17.475,47.168 17.475,47.65
  pour cut-out: 32.385,55.702 32.893,55.194 32.36,54.661 32.309,54.661 31.775,55.194 32.283,55.702
  pour cut-out: 9.03,13.783 8.23,13.783 8.23,13.021 9.03,13.021
  pour cut-out: 91.948,13.85 91.979,13.539 92.069,13.24 92.217,12.965 92.415,12.724 92.656,12.526 92.931,12.378 93.23,12.288 93.541,12.257 93.852,12.288 94.151,12.378 94.424,12.525 94.667,12.724 94.865,12.965 95.013,13.24 95.103,13.539 95.134,13.85 95.103,14.161 95.013,14.46 94.865,14.735 94.667,14.976 94.426,15.174 94.151,15.322 93.852,15.412 93.541,15.443 93.23,15.412 92.931,15.322 92.656,15.174 92.415,14.976 92.217,14.735 92.069,14.46 91.979,14.161
  pour cut-out: 90.111,20.857 89.809,20.817 89.528,20.701 89.286,20.515 89.1,20.273 88.984,19.992 88.944,19.69 88.984,19.388 89.1,19.107 89.286,18.865 89.528,18.679 89.809,18.563 90.111,18.523 90.413,18.563 90.694,18.679 90.936,18.865 91.122,19.107 91.238,19.388 91.277,19.687 91.238,19.992 91.122,20.273 90.939,20.511 90.694,20.701 90.413,20.817
  pour cut-out: 76.198,13.85 76.229,13.539 76.319,13.24 76.467,12.965 76.665,12.724 76.906,12.526 77.181,12.378 77.48,12.288 77.791,12.257 78.102,12.288 78.401,12.378 78.674,12.525 78.917,12.724 79.115,12.965 79.263,13.24 79.353,13.539 79.384,13.85 79.353,14.161 79.263,14.46 79.115,14.735 78.917,14.976 78.676,15.174 78.401,15.322 78.102,15.412 77.791,15.443 77.48,15.412 77.181,15.322 76.906,15.174 76.665,14.976 76.467,14.735 76.319,14.46 76.229,14.161
  pour cut-out: 52.38,10.76 52.41,10.449 52.501,10.15 52.648,9.875 52.846,9.634 53.087,9.436 53.363,9.288 53.662,9.198 53.972,9.167 54.283,9.198 54.582,9.288 54.855,9.435 55.099,9.634 55.297,9.875 55.444,10.15 55.534,10.449 55.565,10.76 55.534,11.071 55.444,11.37 55.297,11.645 55.099,11.886 54.857,12.084 54.582,12.232 54.283,12.322 53.972,12.353 53.662,12.322 53.363,12.232 53.087,12.084 52.846,11.886 52.648,11.645 52.501,11.37 52.41,11.071
  pour cut-out: 46.94,10.76 46.97,10.449 47.061,10.15 47.208,9.875 47.406,9.634 47.647,9.436 47.923,9.288 48.222,9.198 48.532,9.167 48.843,9.198 49.142,9.288 49.415,9.435 49.659,9.634 49.857,9.875 50.004,10.15 50.094,10.449 50.125,10.76 50.094,11.071 50.004,11.37 49.857,11.645 49.659,11.886 49.417,12.084 49.142,12.232 48.843,12.322 48.532,12.353 48.222,12.322 47.923,12.232 47.647,12.084 47.406,11.886 47.208,11.645 47.061,11.37 46.97,11.071
  pour cut-out: 9.473,7.82 9.081,7.781 8.704,7.667 8.356,7.481 8.052,7.231 7.802,6.927 7.616,6.579 7.502,6.202 7.463,5.81 7.502,5.418 7.616,5.041 7.802,4.693 8.052,4.389 8.356,4.139 8.704,3.953 9.081,3.839 9.473,3.8 9.865,3.839 10.242,3.953 10.589,4.139 10.894,4.389 11.144,4.693 11.33,5.041 11.444,5.418 11.483,5.81 11.444,6.202 11.33,6.579 11.144,6.927 10.894,7.231 10.589,7.481 10.242,7.667 9.865,7.781
  pour cut-out: 40.223,7.795 39.831,7.756 39.454,7.642 39.106,7.456 38.802,7.206 38.552,6.902 38.366,6.554 38.252,6.177 38.213,5.785 38.252,5.393 38.366,5.016 38.552,4.668 38.802,4.364 39.106,4.114 39.454,3.928 39.831,3.814 40.223,3.775 40.615,3.814 40.992,3.928 41.339,4.114 41.644,4.364 41.894,4.668 42.08,5.016 42.194,5.393 42.233,5.785 42.194,6.177 42.08,6.554 41.894,6.902 41.644,7.206 41.339,7.456 40.992,7.642 40.615,7.756
  pour cut-out: 46.94,17.76 46.97,17.449 47.061,17.15 47.208,16.875 47.406,16.634 47.647,16.436 47.923,16.288 48.222,16.198 48.532,16.167 48.843,16.198 49.142,16.288 49.415,16.435 49.659,16.634 49.857,16.875 50.004,17.15 50.004,18.37 49.857,18.645 49.659,18.886 49.417,19.084 49.142,19.232 48.843,19.322 48.532,19.353 48.222,19.322 47.923,19.232 47.647,19.084 47.406,18.886 47.208,18.645 47.061,18.37 46.97,18.071
  pour cut-out: 34.798,71.501 34.798,70.815 35.458,70.155 36.551,70.155 37.135,70.739 37.135,71.501
  pour cut-out: 35.252,71.45 35.354,71.474 35.458,71.482 35.563,71.474 35.665,71.45 35.761,71.41 35.851,71.355 35.93,71.287 35.998,71.207 36.053,71.118 36.093,71.021 36.117,70.92 36.126,70.815 36.117,70.711 36.093,70.609 36.053,70.512 35.998,70.423 35.93,70.343 35.851,70.275 35.761,70.221 35.665,70.181 35.563,70.156 35.458,70.148 35.354,70.156 35.256,70.18 35.155,70.221 35.066,70.275 34.987,70.343 34.919,70.423 34.864,70.512 34.824,70.609 34.799,70.711 34.791,70.815 34.799,70.92 34.824,71.021 34.864,71.118 34.919,71.207 34.987,71.287 35.066,71.355 35.155,71.41
  pour cut-out: 36.271,71.45 36.373,71.474 36.477,71.482 36.581,71.474 36.683,71.45 36.78,71.41 36.869,71.355 36.949,71.287 37.017,71.207 37.072,71.118 37.112,71.021 37.136,70.92 37.144,70.815 37.136,70.711 37.112,70.609 37.072,70.512 37.017,70.423 36.949,70.343 36.869,70.275 36.78,70.221 36.683,70.181 36.581,70.156 36.477,70.148 36.373,70.156 36.274,70.18 36.174,70.221 36.085,70.275 36.005,70.343 35.937,70.423 35.882,70.512 35.842,70.609 35.818,70.711 35.81,70.815 35.818,70.92 35.842,71.021 35.882,71.118 35.937,71.207 36.005,71.287 36.085,71.355 36.174,71.41
  pour cut-out: 56.21,17.932 55.524,18.186 55.444,18.37 55.297,18.645 55.099,18.886 54.857,19.084 54.582,19.232 54.283,19.322 53.972,19.353 53.662,19.322 53.363,19.232 53.089,19.085 52.846,18.886 52.648,18.645 52.501,18.37 52.501,17.15 52.648,16.875 52.846,16.634 53.087,16.436 53.363,16.288 53.662,16.198 53.972,16.167 54.283,16.198 54.582,16.288 54.857,16.436 55.099,16.634 55.22,16.739 55.829,16.662 56.213,17.24
  pour cut-out: 94.779,26.568 94.779,25.578 94.771,25.473 94.747,25.372 94.707,25.275 94.652,25.186 94.584,25.106 94.504,25.038 94.415,24.983 94.318,24.943 94.216,24.919 94.112,24.911 94.008,24.919 93.909,24.942 93.809,24.983 93.72,25.038 93.64,25.106 93.572,25.186 93.518,25.275 93.477,25.372 93.453,25.473 93.445,25.578 93.445,26.568 93.453,26.673 93.477,26.775 93.518,26.871 93.572,26.961 93.64,27.04 93.72,27.108 93.809,27.163 93.906,27.203 94.008,27.227 94.112,27.236 94.216,27.227 94.318,27.203 94.415,27.163 94.504,27.108 94.584,27.04 94.652,26.961 94.707,26.871 94.747,26.775 94.771,26.673
  pour cut-out: 98.832,29.711 98.832,28.237 100,28.237 100,29.711
  pour cut-out: 98.832,32.251 98.832,30.777 100,30.777 100,32.251
  pour cut-out: 98.832,34.791 98.832,33.317 100,33.317 100,34.791
  pour cut-out: 98.832,11.931 98.832,10.457 100,10.457 100,11.931
  pour cut-out: 98.832,14.471 98.832,12.997 100,12.997 100,14.471
  pour cut-out: 98.832,17.011 98.832,15.537 100,15.537 100,17.011
  pour cut-out: 98.832,19.551 98.832,18.077 100,18.077 100,19.551
  pour cut-out: 1.191,13.915 1.191,15.566 0.023,15.566 0.023,13.915
  pour cut-out: 1.191,16.455 1.191,18.106 0.023,18.106 0.023,16.455
  pour cut-out: 1.191,18.995 1.191,20.646 0.023,20.646 0.023,18.995
  pour cut-out: 1.191,21.535 1.191,23.186 0.023,23.186 0.023,21.535
  pour cut-out: 1.191,24.075 1.191,25.726 0.023,25.726 0.023,24.075
  pour cut-out: 1.191,26.615 1.191,28.266 0.023,28.266 0.023,26.615
  pour cut-out: 1.191,29.155 1.191,30.806 0.023,30.806 0.023,29.155
  pour cut-out: 1.191,31.695 1.191,33.346 0.023,33.346 0.023,31.695
  pour cut-out: 1.191,34.235 1.191,35.886 0.023,35.886 0.023,34.235
  pour cut-out: 1.191,39.315 1.191,40.966 0.023,40.966 0.023,39.315
  pour cut-out: 1.191,41.855 1.191,43.506 0.023,43.506 0.023,41.855
  pour cut-out: 1.191,44.395 1.191,46.046 0.023,46.046 0.023,44.395
  pour cut-out: 1.191,49.475 1.191,51.126 0.023,51.126 0.023,49.475
  pour cut-out: 1.191,52.015 1.191,53.666 0.023,53.666 0.023,52.015
  pour cut-out: 1.191,62.175 1.191,63.826 0.023,63.826 0.023,62.175
  pour cut-out: 90.111,20.857 89.809,20.817 89.528,20.701 89.286,20.515 89.1,20.273 88.984,19.992 88.944,19.69 88.984,19.388 89.1,19.107 89.286,18.865 89.528,18.679 89.809,18.563 90.111,18.523 90.413,18.563 90.694,18.679 90.936,18.865 91.122,19.107 91.238,19.388 91.277,19.687 91.238,19.992 91.122,20.273 90.939,20.511 90.694,20.701 90.413,20.817
  pour cut-out: 77.874,2.275 77.976,2.299 78.081,2.307 78.185,2.299 78.287,2.275 78.383,2.235 78.473,2.18 78.552,2.112 78.62,2.032 78.675,1.943 78.715,1.846 78.74,1.744 78.748,1.64 78.74,1.536 78.715,1.434 78.675,1.337 78.62,1.248 78.552,1.168 78.473,1.1 78.383,1.045 78.287,1.005 78.185,0.981 78.081,0.973 77.976,0.981 77.878,1.005 77.778,1.045 77.688,1.1 77.609,1.168 77.541,1.248 77.486,1.337 77.446,1.434 77.421,1.536 77.413,1.64 77.421,1.744 77.446,1.846 77.486,1.943 77.541,2.032 77.609,2.112 77.688,2.18 77.778,2.235
  pour cut-out: 86.671,0.203 86.671,2.032 86.679,2.136 86.704,2.238 86.744,2.335 86.799,2.424 86.867,2.504 86.946,2.572 87.035,2.627 87.132,2.667 87.234,2.691 87.338,2.699 87.443,2.691 87.541,2.668 87.641,2.627 87.731,2.572 87.81,2.504 87.878,2.424 87.933,2.335 87.973,2.238 87.997,2.136 88.006,2.032 88.006,0.203